# KiCad board pedalboard-hw.kicad_pcb
title: Open Pedalboard Mainboard; date: 2024-10-16; rev: 4.0.0; company: https://github.com/pedalboard; note: Source Code: https://github.com/pedalboard/pedalboard-hw; note: License: CERN Open Hardware Licence Version 2 - Permissive; note: Git commit hash: ${GIT_HASH}
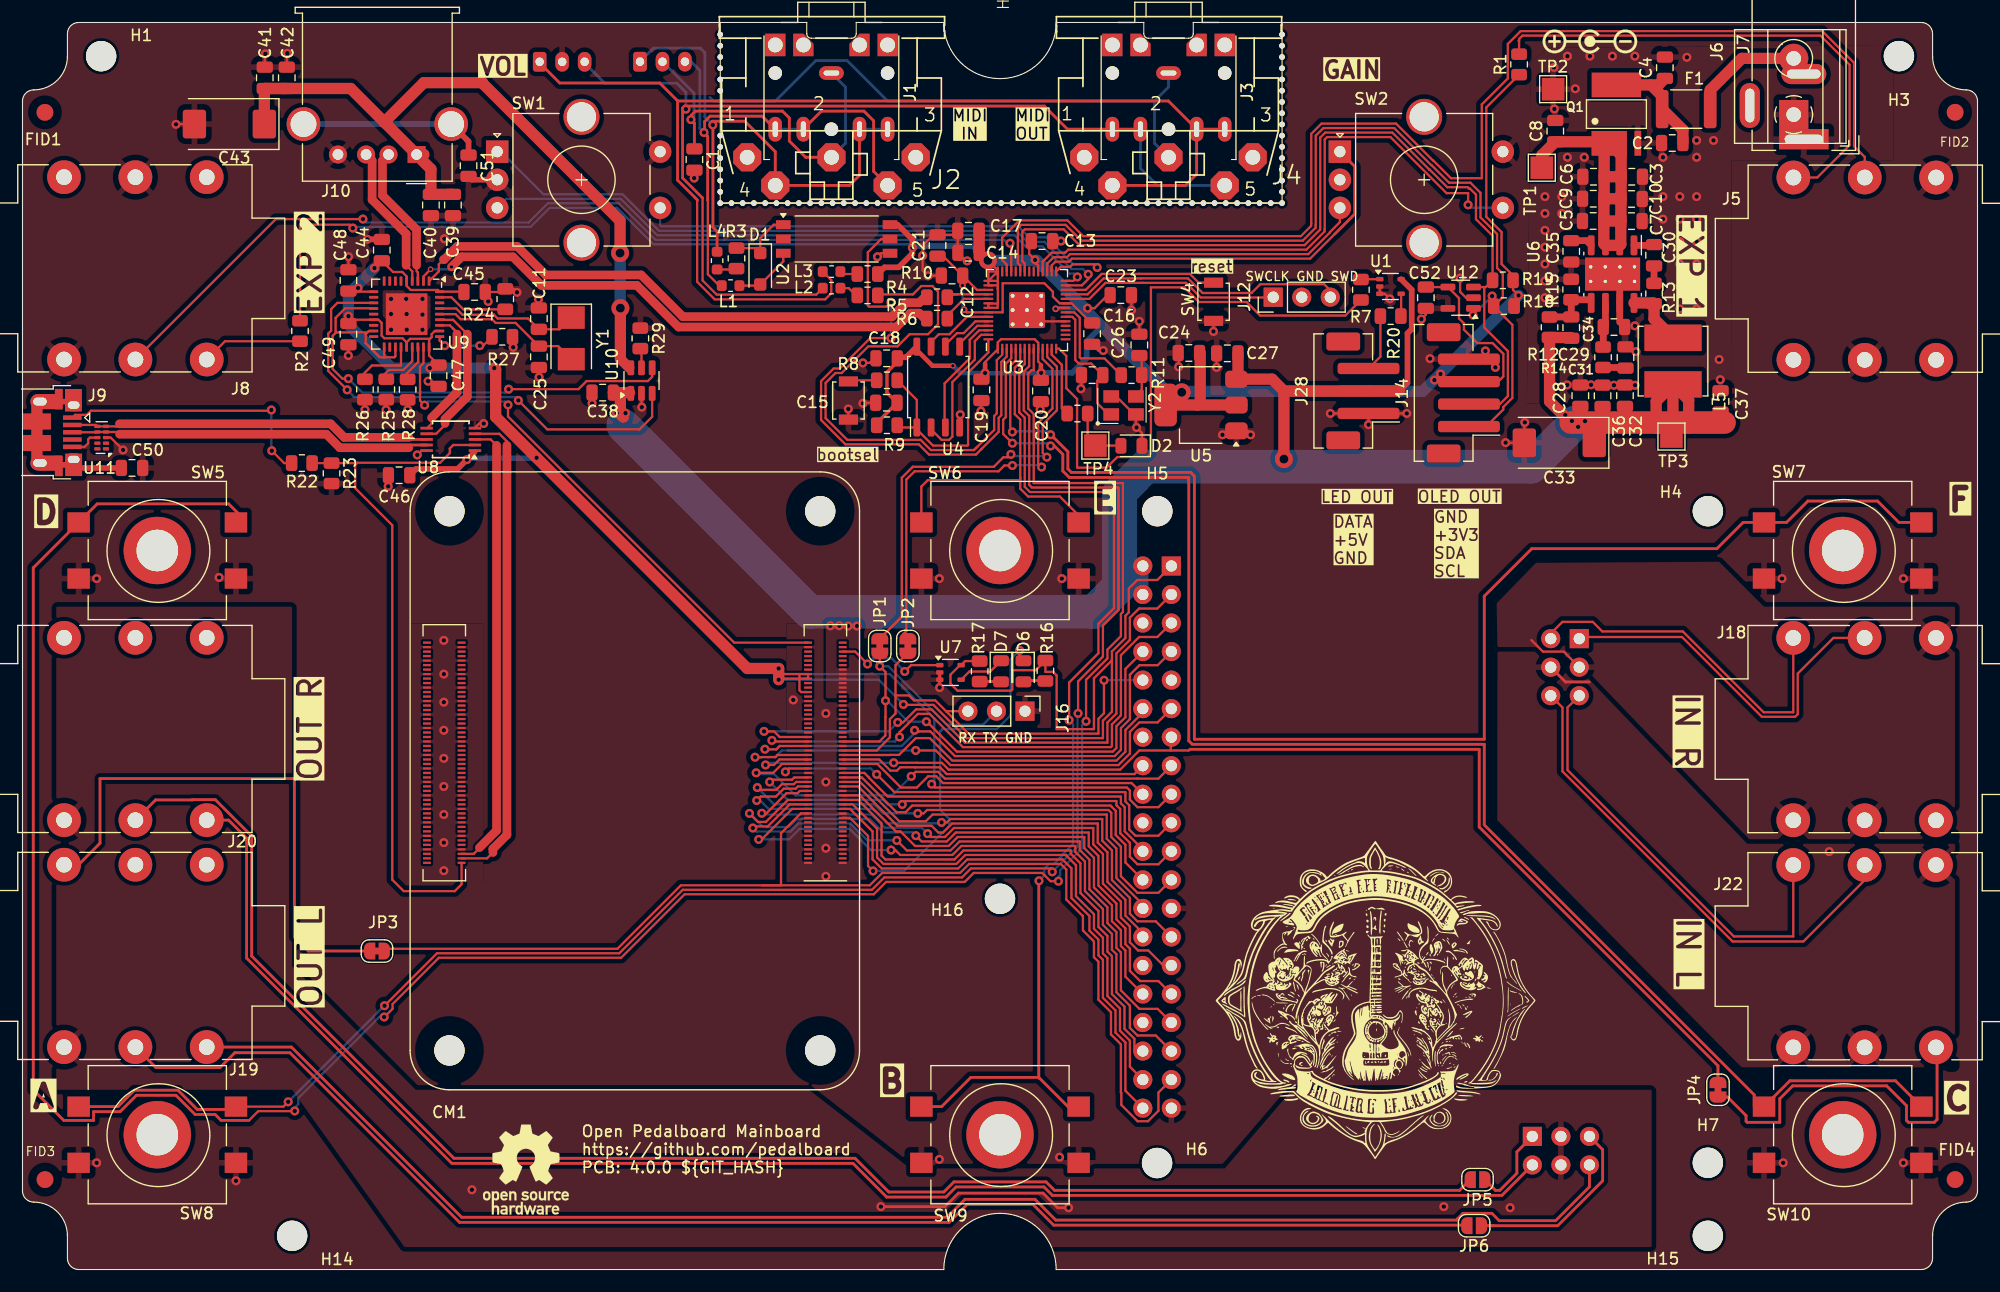
[diagram p0: board, top side]
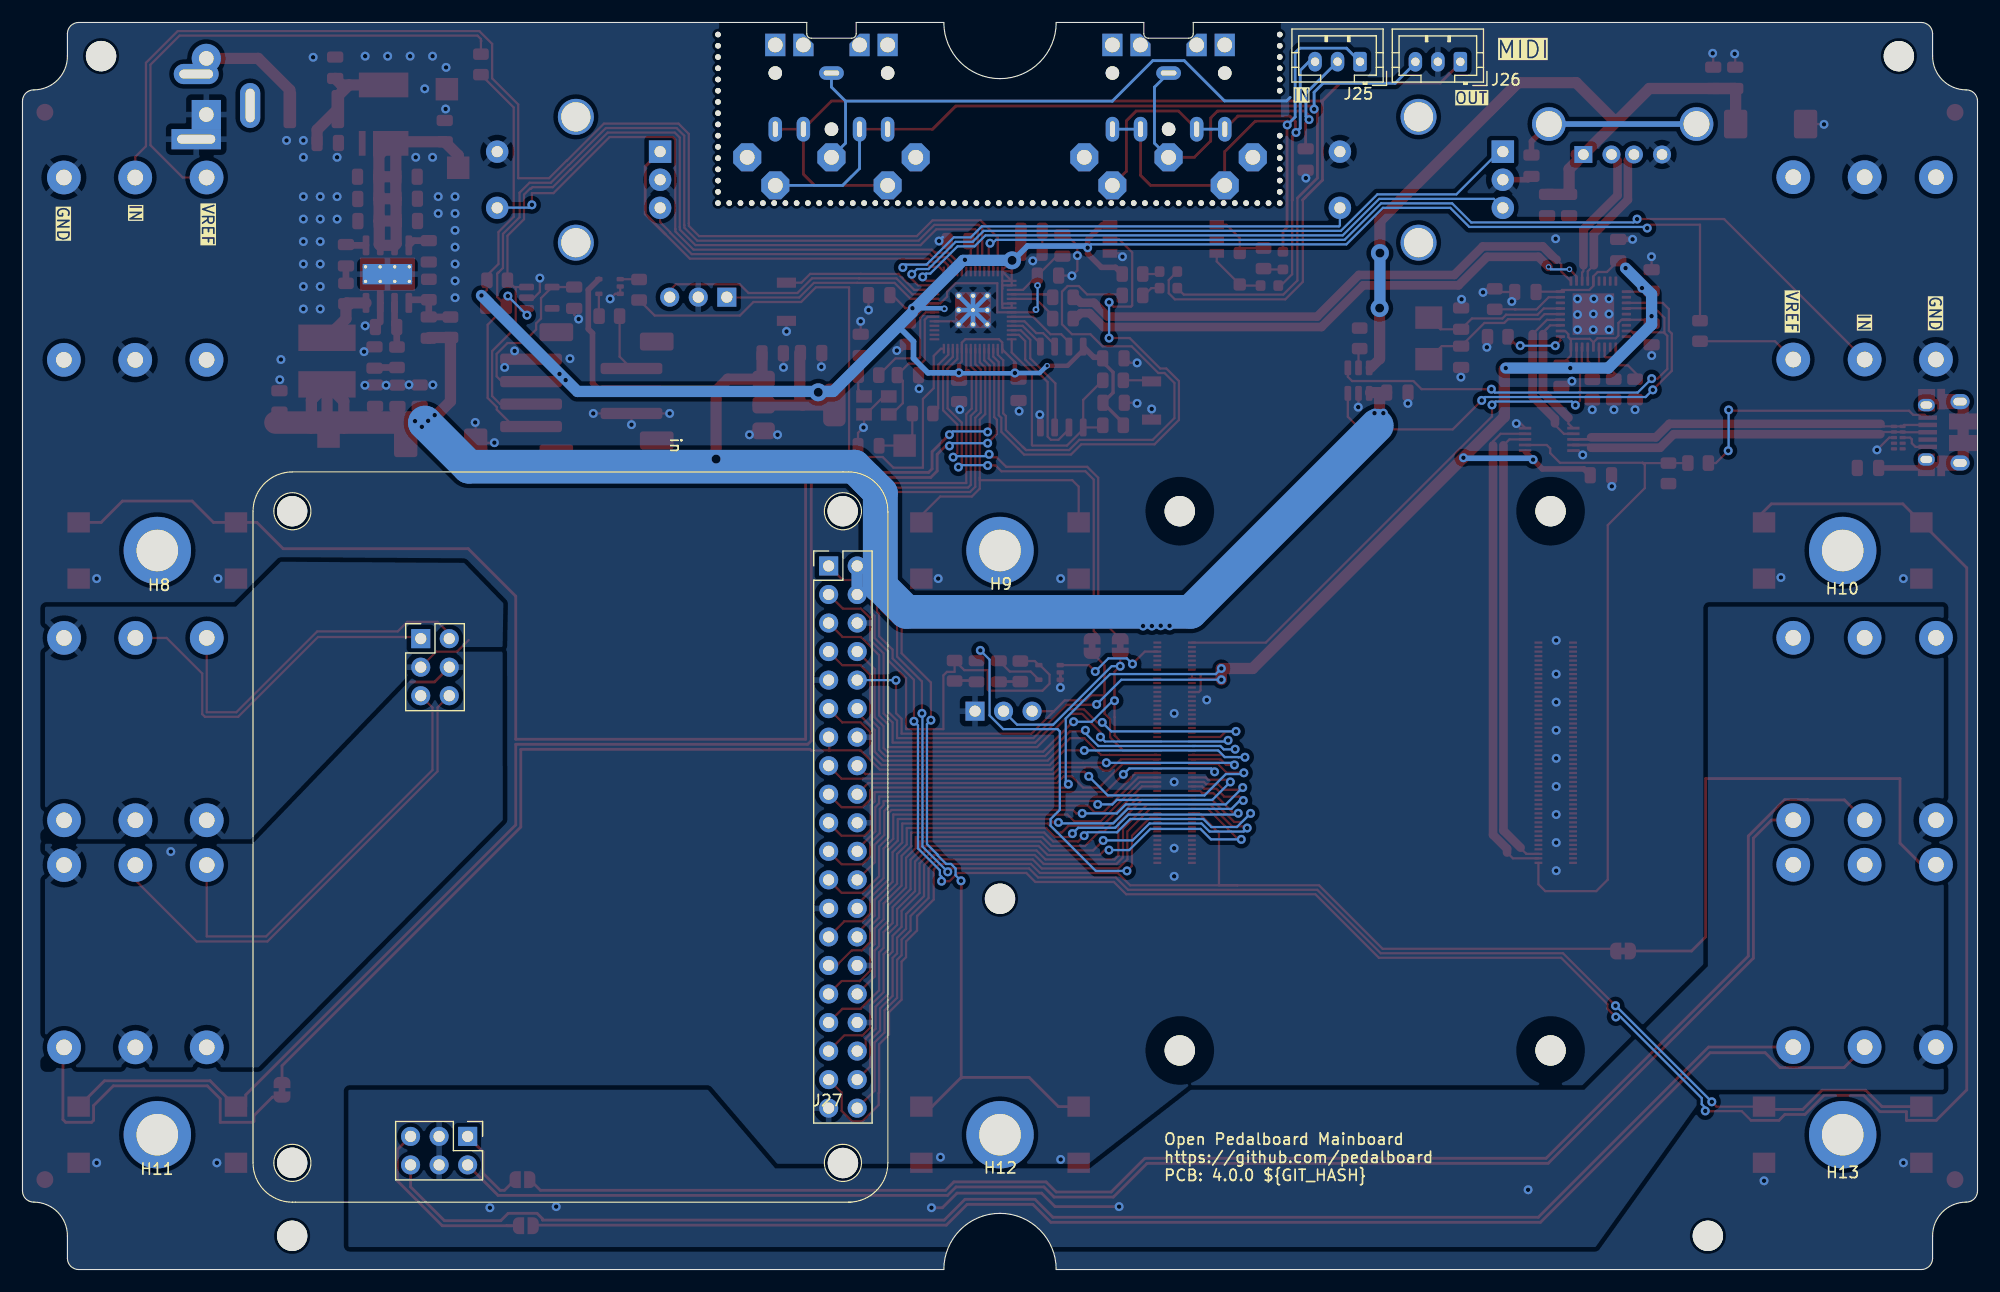
[diagram p1: board, bottom side, seen from below]

Outline 174 x 111 mm; copper layers: Top, Bottom. Coordinates in mm from the lower left corner of the outline.
Outline path: 0,104 arc(0.29,104.71) 1,105 arc(3.12,105.88) 4,108 4,110 arc(4.29,110.71) 5,111 69.8,111 69.8,110 arc(69.92,109.72) 70.2,109.6 73.8,109.6 arc(74.08,109.72) 74.2,110 74.2,111 82,111 arc(87,106) 92,111 99.8,111 99.8,110 arc(99.92,109.72) 100.2,109.6 103.8,109.6 arc(104.08,109.72) 104.2,110 104.2,111 169,111 arc(169.71,110.71) 170,110 170,108 arc(170.88,105.88) 173,105 arc(173.71,104.71) 174,104 174,7 arc(173.71,6.29) 173,6 arc(170.88,5.12) 170,3 170,1 arc(169.71,0.29) 169,0 92,0 arc(87,5) 82,0 5,0 arc(4.29,0.29) 4,1 4,3 arc(3.12,5.12) 1,6 arc(0.29,6.29) 0,7 0,104
Stack: Top 0.035mm / dielectric 1.51mm FR4 er 4.5 / Bottom 0.035mm

## Placement (name value [footprint] x y rotation side)
C1  100n  [C_0805_2012Metric]  59.8 98.8 270 top
C2  10u  [C_0805_2012Metric]  146.83 100.27 180 top
C3  10u  [C_0805_2012Metric]  143.23 97.27 0 top
C4  10u  [C_0805_2012Metric]  146.17 106.97 90 top
C5  10u  [C_0805_2012Metric]  139.79 93.33 180 top
C6  10u  [C_0805_2012Metric]  139.82 97.27 180 top
C7  10u  [C_0805_2012Metric]  143.2 93.32 0 top
C8  10u  [C_0805_2012Metric]  136.42 101.33 90 top
C9  10u  [C_0805_2012Metric]  139.8 95.31 180 top
C10  10u  [C_0805_2012Metric]  143.21 95.29 0 top
C11  18p  [C_0805_2012Metric]  45.96 84.64 90 top
C12  1u  [C_0805_2012Metric]  82.73 88.47 180 top
C13  100n  [C_0805_2012Metric]  90.74 91.54 0 top
C14  1u  [C_0805_2012Metric]  84.2 90.5 180 top
C15  100n  [C_0805_2012Metric]  76.89 77.15 180 top
C16  100n  [C_0805_2012Metric]  95.2 83.3 270 top
C17  100n  [C_0805_2012Metric]  84.19 92.46 180 top
C18  100n  [C_0805_2012Metric]  76.91 81.1 180 top
C19  100n  [C_0805_2012Metric]  85.35 78.3 270 top
C20  100n  [C_0805_2012Metric]  90.64 78.2 270 top
C21  100n  [C_0805_2012Metric]  81.44 91.15 90 top
C22  15p  [C_0805_2012Metric]  95.2 79.61 180 top
C23  100n  [C_0805_2012Metric]  97.75 86.73 0 top
C24  10u  [C_0805_2012Metric]  103.81 81.58 180 top
C25  18p  [C_0805_2012Metric]  45.96 81.24 270 top
C26  15p  [C_0805_2012Metric]  99.4 82.3 90 top
C27  10u  [C_0805_2012Metric]  107.23 81.55 180 top
C28  10u  [C_0805_2012Metric]  138.65 77.78 90 top
C29  1n  [C_0805_2012Metric]  137.84 83.84 90 top
C30  100n  [C_0805_2012Metric]  145.21 90.28 90 top
C31  1.2n  [C_0805_2012Metric]  142.67 81.18 90 top
C32  10u  [C_0805_2012Metric]  142.62 77.78 90 top
C33  100u  [CP_EIA-7343-31_Kemet-D]  136.78 73.59 180 top
C34  1n  [C_0805_2012Metric]  141.64 83.89 0 top
C35  100n  [C_0805_2012Metric]  137.84 90.63 270 top
C36  10u  [C_0805_2012Metric]  140.63 77.77 90 top
C37  10u  [C_0805_2012Metric]  151.13 77.27 90 top
C38  10u  [C_0805_2012Metric]  51.64 78.06 180 top
C39  10u  [C_0805_2012Metric]  38.31 94.75 270 top
C40  10u  [C_0805_2012Metric]  36.35 94.75 270 top
C41  10u  [C_0805_2012Metric]  21.56 106.07 90 top
C42  10u  [C_0805_2012Metric]  23.52 106.07 90 top
C43  100u  [CP_EIA-7343-31_Kemet-D]  18.41 101.96 180 top
C44  10u  [C_0805_2012Metric]  31.98 90.74 90 top
C45  10u  [C_0805_2012Metric]  40.24 87.01 0 top
C46  100n  [C_0805_2012Metric]  33.52 70.7 180 top
C47  100n  [C_0805_2012Metric]  37.03 79.56 270 top
C48  100n  [C_0805_2012Metric]  29.01 88.04 90 top
C49  100n  [C_0805_2012Metric]  29.01 83.26 270 top
C50  1n  [C_0805_2012Metric]  9.75 71.35 0 top
C51  1n  [C_0805_2012Metric]  39.7 98.25 270 top
C52  100n  [C_0805_2012Metric]  124.9 86.5 270 top
CM1  CM4  [Raspberry-Pi-4-Compute-Module]  71 67.5 180 top
D1  SM4007  [D_SOD-123F]  65.66 89.08 270 top
D2  LED Y  [LED_0805_2012Metric]  98.7 73.32 180 top
D6  LED Y  [LED_0805_2012Metric]  89.09 53.25 270 top
D7  LED R  [LED_0805_2012Metric]  87.09 53.25 270 top
F1  Polyfuse 1.8A  [Fuse_1812_4532Metric]  148.07 103.29 180 top
FID1  Fiducial  [Fiducial_1.5mm_Mask3mm]  2 103 0 top
FID2  Fiducial  [Fiducial_1.5mm_Mask3mm]  172.01 103.01 0 top
FID3  Fiducial  [Fiducial_1.5mm_Mask3mm]  2.01 8.01 0 top
FID4  Fiducial  [Fiducial_1.5mm_Mask3mm]  172.01 8.01 0 top
H1  MountingHole  [MountingHole_2.7mm_M2.5_DIN965]  7 108 0 top
H2  Midi Bites  [MIDI bites]  87.1 110.92 0 top
H3  MountingHole  [MountingHole_2.7mm_M2.5_DIN965]  167.01 108.01 0 top
H4  MountingHole  [MountingHole_2.7mm_M2.5_DIN965]  150 67.5 0 top
H5  MountingHole  [MountingHole_2.7mm_M2.5_DIN965]  101 67.5 0 top
H6  MountingHole  [MountingHole_2.7mm_M2.5_DIN965]  100.98 9.48 0 top
H7  MountingHole  [MountingHole_2.7mm_M2.5_DIN965]  150 9.5 0 top
H8  Spacer  [WA-SMSI_M2.5]  162 64 180 bottom
H9  Spacer  [WA-SMSI_M2.5]  87 64 180 bottom
H10  Spacer  [WA-SMSI_M2.5]  12 64 180 bottom
H11  Spacer  [WA-SMSI_M2.5]  162 12 180 bottom
H12  Spacer  [WA-SMSI_M2.5]  87 12 180 bottom
H13  Spacer  [WA-SMSI_M2.5]  12 12 180 bottom
H14  MountingHole  [MountingHole_2.7mm_M2.5_DIN965]  24 3 0 top
H15  MountingHole  [MountingHole_2.7mm_M2.5_DIN965]  150 3 0 top
H16  MountingHole  [MountingHole_2.7mm_M2.5_DIN965]  87 33 0 top
J1  Jack 3.5mm  [Jack_3.5mm_CUI_SJ1-3525N_Horizontal]  71.99 106.5 180 top
J2  DIN5  [CP-2350]  72 109 180 top
J3  Jack 3.5mm  [Jack_3.5mm_CUI_SJ1-3525N_Horizontal]  102 106.5 180 top
J4  DIN5  [CP-2350]  102 109 180 top
J5  Jack 6.35mm  [Jack_6.35mm_Horizontal]  157.62 97.2 0 top
J6  Screw_Terminal_01x02  [TerminalBlock_Phoenix_MKDS-1,5-2_1x02_P5.00mm_Horizontal]  157.64 102.8 90 top
J7  Barrel_Jack_MountingPin  [BarrelJack_Wuerth_6941xx301002]  158.54 100.61 180 top
J8  Jack 6.35mm  [Jack_6.35mm_Horizontal]  16.4 81 180 top
J9  USB_OTG  [USB_Micro-B_Amphenol_10103594-0001LF_Horizontal]  2.67 74.5 270 top
J10  USB_A  [USB_A_Molex_67643_Horizontal]  35.08 99.25 180 top
J12  Debug  [PinHeader_1x03_P2.54mm_Vertical]  111.31 86.55 90 top
J14  JST PH 4  [JST_PH_B4B-PH-SM4-TB_1x04-1MP_P2.00mm_Vertical]  128.24 78.03 90 top
J16  Debug  [PinHeader_1x03_P2.54mm_Vertical]  89.22 49.7 270 top
J18  Jack 6.35mm  [Jack_6.35mm_Horizontal]  157.6 56.22 0 top
J19  Jack 6.35mm  [Jack_6.35mm_Horizontal]  16.4 19.8 180 top
J20  Jack 6.35mm  [Jack_6.35mm_Horizontal]  16.4 40 180 top
J22  Jack 6.35mm  [Jack_6.35mm_Horizontal]  157.6 36 0 top
J25  JST PH 3  [JST_PH_B3B-PH-K_1x03_P2.00mm_Vertical]  54.96 107.51 0 bottom
J26  JST PH 3  [JST_PH_B3B-PH-K_1x03_P2.00mm_Vertical]  46.03 107.5 0 bottom
J27  Pedalboard Soundcard  [Pedalboard_Soundcard]  102.25 62.62 180 bottom
J28  JST PH 3  [JST_PH_B3B-PH-SM4-TB_1x03-1MP_P2.00mm_Vertical]  119.3 78.2 90 top
JP1  SJP  [SolderJumper-2_P1.3mm_Bridged_RoundedPad1.0x1.5mm]  76.3 55.5 90 top
JP2  SJP  [SolderJumper-2_P1.3mm_Bridged_RoundedPad1.0x1.5mm]  78.8 55.5 90 top
JP3  SJP  [SolderJumper-2_P1.3mm_Bridged_RoundedPad1.0x1.5mm]  31.55 28.35 0 top
JP4  SJP  [SolderJumper-2_P1.3mm_Bridged_RoundedPad1.0x1.5mm]  150.9 16 90 top
JP5  SJP  [SolderJumper-2_P1.3mm_Open_RoundedPad1.0x1.5mm]  129.5 8 180 top
JP6  SJP  [SolderJumper-2_P1.3mm_Open_RoundedPad1.0x1.5mm]  129.2 3.9 180 top
L1  120_100MHz  [L_0603_1608Metric]  63.02 87.58 0 top
L2  120_100MHz  [L_0603_1608Metric]  72.01 87.35 0 top
L3  120_100MHz  [L_0603_1608Metric]  72.01 88.83 0 top
L4  120_100MHz  [L_0603_1608Metric]  61.82 89.8 270 top
L5  SRN6045TA-3R3Y  [L_Bourns_SRN6045TA]  146.9 80.86 270 top
Q1  FDS4435BZ  [SO08-E3]  141.86 102.84 0 top
R1  1K  [R_0805_2012Metric]  133.2 107.27 90 top
R2  1K  [R_0805_2012Metric]  24.7 83.54 270 top
R3  220R  [R_0805_2012Metric]  63.55 90 90 top
R4  33R  [R_0805_2012Metric]  75.21 88.61 180 top
R5  10R  [R_0805_2012Metric]  75.21 86.71 0 top
R6  27R  [R_0805_2012Metric]  81.4 84.64 0 top
R7  220R  [R_0805_2012Metric]  119.12 87.21 90 top
R8  1K  [R_0805_2012Metric]  76.94 79.15 0 top
R9  DNF  [R_0805_2012Metric]  76.94 75.15 0 top
R10  27R  [R_0805_2012Metric]  81.4 86.54 0 top
R11  1K  [R_0805_2012Metric]  98.7 79.61 0 top
R12  12K  [R_0805_2012Metric]  135.91 83.87 90 top
R13  10R  [R_0805_2012Metric]  145.21 86.87 90 top
R14  20K  [R_0805_2012Metric]  140.67 81.2 270 top
R15  2K2  [R_0805_2012Metric]  137.83 87.23 90 top
R16  1K  [R_0805_2012Metric]  91.04 53.3 90 top
R17  2K2  [R_0805_2012Metric]  85.19 53.25 90 top
R18  3K9  [R_0805_2012Metric]  131.85 85.75 180 top
R19  3K9  [R_0805_2012Metric]  131.75 88.05 180 top
R20  220R  [R_0805_2012Metric]  121.77 84.86 180 top
R21  2K2  [R_0805_2012Metric]  93.89 76.19 0 top
R22  2K2  [R_0805_2012Metric]  24.87 71.78 180 top
R23  2K2  [R_0805_2012Metric]  27.51 70.87 270 top
R24  12K  [R_0805_2012Metric]  42.97 86.38 90 top
R25  36K  [R_0805_2012Metric]  32.38 78.34 270 top
R26  36K  [R_0805_2012Metric]  30.48 78.34 270 top
R27  36K  [R_0805_2012Metric]  42.7 83.02 0 top
R28  36K  [R_0805_2012Metric]  34.28 78.33 270 top
R29  36K  [R_0805_2012Metric]  54.99 82.88 270 top
SW1  Rotary  [RotaryEncoder_Alps_EC11E-Switch_Vertical_H20mm_CircularMountingHoles]  42.25 99.5 0 top
SW2  Rotary  [RotaryEncoder_Alps_EC11E-Switch_Vertical_H20mm_CircularMountingHoles]  117.25 99.5 0 top
SW3  Micro Button  [SW_SPST_B3U-1000P]  73.51 77.35 90 top
SW4  Micro Button  [SW_SPST_B3U-1000P]  106.01 86.14 90 top
SW5  Tactile Button  [SW_PUSH-12mm_Wuerth]  12 64 0 top
SW6  Tactile Button  [SW_PUSH-12mm_Wuerth]  87 64 0 top
SW7  Tactile Button  [SW_PUSH-12mm_Wuerth]  162 64 0 top
SW8  Tactile Button  [SW_PUSH-12mm_Wuerth]  12 12 0 top
SW9  Tactile Button  [SW_PUSH-12mm_Wuerth]  87 12 0 top
SW10  Tactile Button  [SW_PUSH-12mm_Wuerth]  162 12 0 top
SYM1  Logo_Open_Hardware_Small  [OSHW-Logo_7.5x8mm_SilkScreen]  44.8 8.9 0 top
TP1  TestPoint  [TestPoint_Pad_2.0x2.0mm]  135.22 98.07 0 top
TP2  TestPoint  [TestPoint_Pad_2.0x2.0mm]  136.23 105.06 0 top
TP3  TestPoint  [TestPoint_Pad_2.0x2.0mm]  146.76 74.14 0 top
TP4  TestPoint  [TestPoint_Pad_2.0x2.0mm]  95.49 73.34 0 top
U1  74AHCT1G32SE-7  [SOT-353_SC-70-5]  121.75 87.5 0 top
U2  TLP2761  [SO-6L_10x3.84mm_P1.27mm]  72.46 91.73 0 top
U3  RP2040  [RP2040-QFN-56]  89.4 85.4 90 top
U4  W25Q128JVS  [SOIC-8_5.23x5.23mm_P1.27mm]  81.5 78.55 90 top
U5  NCP1117-3.3_SOT223  [SOT-223-3_TabPin2]  104.89 76.95 180 top
U6  AP64501SP-13  [SOIC-8-1EP_3.9x4.9mm_P1.27mm_EP2.95x4.9mm_Mask2.71x3.4mm_ThermalVias]  141.52 88.6 270 top
U7  74AHCT1G32SE-7  [SOT-353_SC-70-5]  82.59 53.15 0 top
U8  FSUSB42MUX  [TSSOP-10_3x3mm_P0.5mm]  38.12 73.89 180 top
U9  USB2514B_Bi  [QFN-36-1EP_6x6mm_P0.5mm_EP3.7x3.7mm]  34.19 85.04 270 top
U10  AP2553W6  [SOT-23-6]  55.09 79.12 90 top
U11  TPD4EUSB30  [USON-10_2.5x1.0mm_P0.5mm]  7.05 74.05 180 top
U12  AT24CS01-STUM  [SOT-23-5]  128 86.5 180 top
Y1  Crystal_Small  [Crystal_SMD_5032-2Pin_5.0x3.2mm]  48.84 82.88 270 top
Y2  ABM8-272-T3  [ABM8-272-T3_ABR]  98 76.91 90 top

## Library data of the parts
C1 C13 C15-C21 C23 C46-C49 C52 = -: Datasheet: https://www.samsungsem.com/resources/file/global/support/product_catalog/MLCC.pdf; Digikey: 1276-1180-1-ND; Mouser: 581-08055C104K; Notes: 10% 16V Ceramic Capacitor X7R; Supplier: https://www.digikey.ch/de/products/detail/samsung-electro-mechanics/CL21B104KBCNNNC/3886661; ki_fp_filters: C_*
C2-C10 C24 C27 C28 C32 C36-C42 C44 C45 = -: Datasheet: https://www.samsungsem.com/resources/file/global/support/product_catalog/MLCC.pdf; Notes: 10% or 20% 35V Ceramic Capacitor X6S 0805 (2012 Metric); Supplier: https://www.digikey.ch/de/products/detail/samsung-electro-mechanics/CL21X106KAYNNNE/5961182; ki_fp_filters: C_*
C11 C22 C25 C26 = -: Datasheet: https://www.samsungsem.com/resources/file/global/support/product_catalog/MLCC.pdf; Notes: 50V/5%; Supplier: https://www.digikey.ch/de/products/detail/samsung-electro-mechanics/CL21C270JCANNNC/3888280; ki_fp_filters: C_*
C12 C14 = -: Datasheet: https://www.samsungsem.com/resources/file/global/support/product_catalog/MLCC.pdf; Notes: 25V/10%; Supplier: https://www.digikey.ch/de/products/detail/samsung-electro-mechanics/CL21B105KAFNNNE/3886724; ki_fp_filters: C_*
C29 C34 C50 C51 = -: Datasheet: https://www.samsungsem.com/resources/file/global/support/product_catalog/MLCC.pdf; Notes: 1000 pF, 50 V; Supplier: https://www.digikey.ch/de/products/detail/samsung-electro-mechanics/CL21B102KBANNNC/3886678; ki_fp_filters: C_*
C30 C35 = -: Datasheet: https://www.samsungsem.com/resources/file/global/support/product_catalog/MLCC.pdf; Digikey: 1276-1180-1-ND; Notes: 10% 16V Ceramic Capacitor X7R; Supplier: https://www.digikey.ch/de/products/detail/samsung-electro-mechanics/CL21B104KBCNNNC/3886661; ki_fp_filters: C_*
C31 = -: Datasheet: https://search.murata.co.jp/Ceramy/image/img/A01X/G101/ENG/GRM2165C2A122JA01-01.pdf; Notes: 10% 10V Ceramic Capacitor X5R; Supplier: https://www.digikey.ch/de/products/detail/murata-electronics/GRM2165C2A122JA01D/2544699; ki_fp_filters: C_*
C33 C43 = -: Datasheet: https://industrial.panasonic.com/cdbs/www-data/pdf/ABE0000/ABE0000C49.pdf; Notes: Capacitor, SP-Cap, 100u, 6.3V, 15mR ESR; Supplier: https://www.digikey.ch/de/products/detail/panasonic-electronic-components/EEF-CX0J101R/816418; ki_fp_filters: CP_*
CM1 = -: Datasheet: https://www.hirose.com/en/product/document?clcode=&productname=&series=DF40&documenttype=Catalog&lang=en&documentid=en_DF40_CAT; Notes: DF40C-100DS-0.4V(51); Supplier: https://www.digikey.ch/de/products/detail/hirose-electric-co-ltd/DF40C-100DS-0-4V-51/1969476
D1 = -: Datasheet: https://www.mccsemi.com/pdf/Products/SM4001PL-SM4007PL(SOD-123FL).PDF; Supplier: https://www.digikey.ch/de/products/detail/micro-commercial-co/SM4007PL-TP/1793250; ki_fp_filters: D*DO?35*
D2 D6 D7 = -: ki_fp_filters: LED* LED_SMD:* LED_THT:*
F1 = -: Datasheet: https://www.littelfuse.com/~/media/electronics/datasheets/resettable_ptcs/littelfuse_ptc_1812l_datasheet.pdf.pdf; Supplier: https://www.digikey.ch/de/products/detail/littelfuse-inc/1812L150-24MR/2023969; ki_fp_filters: *polyfuse* *PTC*
FID1-FID4 = -: ki_fp_filters: Fiducial*
H1-H7 H14-H16 = -: ki_fp_filters: MountingHole*
H8-H13 = -: Datasheet: https://www.we-online.com/components/products/datasheet/9774027151R.pdf; Notes: MIDI In; Supplier: https://www.digikey.ch/de/products/detail/w%C3%BCrth-elektronik/9774027151R/5320625; ki_fp_filters: MountingHole*
J1 = -: Datasheet: https://www.cuidevices.com/product/resource/sj1-352xng.pdf; Notes: MIDI Out; Supplier: https://www.digikey.ch/de/products/detail/cui-devices/SJ1-3525NG/738690; ki_fp_filters: Jack*
J2 = -: Datasheet: https://www.switchcraft.com/assets/1/24/57PC5F_CD.pdf; Notes: MIDI In; Supplier: https://www.digikey.ch/de/products/detail/switchcraft-inc/57PC5F/275385; ki_fp_filters: DIN*
J3 = -: Datasheet: https://www.cuidevices.com/product/resource/sj1-352xng.pdf; Supplier: https://www.digikey.ch/de/products/detail/cui-devices/SJ1-3525NG/738690; ki_fp_filters: Jack*
J4 = -: Datasheet: https://www.switchcraft.com/assets/1/24/57PC5F_CD.pdf; Notes: MIDI Out; Supplier: https://www.digikey.ch/de/products/detail/switchcraft-inc/57PC5F/275385; ki_fp_filters: DIN*
J5 = -: Datasheet: https://www.schurter.com/en/datasheet/typ_4833.2320.pdf; Notes: EXP1; Supplier: https://www.digikey.ch/de/products/detail/schurter-inc/4833-2320/2644235; ki_fp_filters: Jack*
J6 = -: Supplier: https://www.digikey.ch/de/products/detail/phoenix-contact/1715022/260626; ki_fp_filters: TerminalBlock*:*
J7 = -: Datasheet: https://www.we-online.com/components/products/datasheet/6941xx301002.pdf; Supplier: https://www.digikey.ch/de/products/detail/w%C3%BCrth-elektronik/694106301002/5047522; ki_fp_filters: BarrelJack*
J8 = -: Datasheet: https://www.schurter.com/en/datasheet/typ_4833.2320.pdf; Notes: EXP2; Supplier: https://www.digikey.ch/de/products/detail/schurter-inc/4833-2320/2644235; ki_fp_filters: Jack*
J9 = -: Datasheet: https://cdn.amphenol-cs.com/media/wysiwyg/files/documentation/datasheet/inputoutput/io_usb_micro.pdf; Description: USB mini/micro connector; Supplier: https://www.digikey.ch/de/products/detail/amphenol-cs-fci/10103594-0001LF/2350351; ki_fp_filters: USB*
J10 = -: Datasheet: https://www.molex.com/en-us/products/part-detail/676433910?display=pdf; Description: USB Type A connector; Supplier: https://www.digikey.ch/de/products/detail/molex/0676433910/3598521; ki_fp_filters: USB*
J12 J16 = -: ki_fp_filters: Connector*:*_1x??_*
J14 = -: Datasheet: https://www.jst-mfg.com/product/pdf/eng/ePH.pdf; Supplier: https://www.digikey.ch/de/products/detail/jst-sales-america-inc./B4B-PH-SM4-TB/926833; ki_fp_filters: Connector*:*_1x??_*
J18 = -: Datasheet: https://www.schurter.com/en/datasheet/typ_4833.2320.pdf; Notes: Audio IN Right; Supplier: https://www.digikey.ch/de/products/detail/schurter-inc/4833-2320/2644235; ki_fp_filters: Jack*
J19 = -: Datasheet: https://www.schurter.com/en/datasheet/typ_4833.2320.pdf; Notes: Audio OUT Left; Supplier: https://www.digikey.ch/de/products/detail/schurter-inc/4833-2320/2644235; ki_fp_filters: Jack*
J20 = -: Datasheet: https://www.schurter.com/en/datasheet/typ_4833.2320.pdf; Notes: Audio OUT Right; Supplier: https://www.digikey.ch/de/products/detail/schurter-inc/4833-2320/2644235; ki_fp_filters: Jack*
J22 = -: Datasheet: https://www.schurter.com/en/datasheet/typ_4833.2320.pdf; Notes: Audio IN Left; Supplier: https://www.digikey.ch/de/products/detail/schurter-inc/4833-2320/2644235; ki_fp_filters: Jack*
J25 J26 J28 = -: Datasheet: https://www.jst-mfg.com/product/pdf/eng/ePH.pdf; Supplier: https://www.digikey.com/en/products/detail/jst-sales-america-inc/B3B-PH-K-S/926612; ki_fp_filters: Connector*:*_1x??_*
J27 = -: ki_fp_filters: PinHeader*2x20*P2.54mm*Vertical* PinSocket*2x20*P2.54mm*Vertical*
JP1-JP4 = -: ki_fp_filters: SolderJumper*Bridged*
JP5 JP6 = -: Description: Solder Jumper, 2-pole, open; ki_fp_filters: SolderJumper*Open*
L1-L4 = -: Datasheet: https://www.murata.com/products/productdata/8796738650142/ENFA0003.pdf; Supplier: https://www.digikey.ch/de/products/detail/murata-electronics/BLM18KG121TN1D/1982762; ki_fp_filters: Choke_* *Coil* Inductor_* L_*
L5 = -: Datasheet: https://www.bourns.com/docs/Product-Datasheets/SRN6045TA.pdf; Notes: 3.3µH Semi-Shielded Wirewound Inductor 7.8A 21mOhm Nonstandard; Supplier: https://www.digikey.ch/de/products/detail/bourns-inc/SRN6045TA-3R3Y/6155103; ki_fp_filters: Choke_* *Coil* Inductor_* L_*
Q1 = -: Datasheet: https://www.onsemi.com/pdf/datasheet/fds4435bz_f085-d.pdf; Supplier: https://www.digikey.ch/de/products/detail/onsemi/FDS4435BZ/1305763
R1 R2 R8 R11 R16 R22-R29 = -: Datasheet: https://www.seielect.com/catalog/sei-rncp.pdf; Supplier: https://www.digikey.ch/de/products/detail/stackpole-electronics-inc/RNCP0805FTD1K00/2240229; ki_fp_filters: R_*
R3 R7 R20 = -: Datasheet: https://www.seielect.com/catalog/sei-rmcf_rmcp.pdf; Supplier: https://www.digikey.ch/de/products/detail/stackpole-electronics-inc/RMCF0805FT220R/1760238; ki_fp_filters: R_*
R4 = -: Datasheet: https://www.seielect.com/catalog/sei-rmcf_rmcp.pdf; Supplier: https://www.digikey.ch/de/products/detail/stackpole-electronics-inc/RMCF0805FT33R0/1760586; ki_fp_filters: R_*
R5 R13 = -: Datasheet: https://www.seielect.com/catalog/sei-rncp.pdf; Notes: Resistor 10R 1% 63mW; Supplier: https://www.digikey.ch/de/products/detail/stackpole-electronics-inc/RNCP0805FTD10R0/2240197; ki_fp_filters: R_*
R6 R10 R21 = -: Datasheet: https://www.seielect.com/catalog/sei-rmcf_rmcp.pdf; Supplier: https://www.digikey.ch/de/products/detail/stackpole-electronics-inc/RMCF0805FT27R0/1712920; ki_fp_filters: R_*
R9 = -: ki_fp_filters: R_*
R12 = -: Datasheet: https://www.seielect.com/Catalog/SEI-rmef.PDF; Notes: Resistor 12K 1% 63mW; ki_fp_filters: R_*
R14 = -: Datasheet: https://www.seielect.com/catalog/sei-rmcf_rmcp.pdf; Notes: Resistor 20K 1% 63mW; Supplier: https://www.digikey.ch/de/products/detail/stackpole-electronics-inc/RMCF0805FT20K0/1760314; ki_fp_filters: R_*
R15 R17 = -: Datasheet: https://www.seielect.com/catalog/sei-rncp.pdf; Notes: Resistor 2.2K 1% 63mW; Supplier: https://www.digikey.ch/de/products/detail/stackpole-electronics-inc/RMCF0805FT2K20/1760345; ki_fp_filters: R_*
R18 R19 = -: Datasheet: https://www.seielect.com/catalog/sei-rncp.pdf; Supplier: https://www.digikey.ch/de/products/detail/stackpole-electronics-inc/RMCF0805FT3K90/1760599; ki_fp_filters: R_*
SW1 = -: Datasheet: https://www.we-online.com/components/products/datasheet/482016514001.pdf; Notes: VOL; Supplier: https://www.digikey.ch/de/products/detail/w%C3%BCrth-elektronik/482016514001/10056402; ki_fp_filters: RotaryEncoder*Switch*
SW2 = -: Datasheet: https://www.we-online.com/components/products/datasheet/482016514001.pdf; Notes: GAIN; Supplier: https://www.digikey.ch/de/products/detail/w%C3%BCrth-elektronik/482016514001/10056402; ki_fp_filters: RotaryEncoder*Switch*
SW3 = -: Datasheet: https://omronfs.omron.com/en_US/ecb/products/pdf/en-b3u.pdf; Notes: Boot; Supplier: https://www.digikey.ch/en/products/detail/omron-electronics-inc-emc-div/B3U-1000P/1534338; ki_fp_filters: SW*Omron*B3FS*
SW4 = -: Datasheet: https://omronfs.omron.com/en_US/ecb/products/pdf/en-b3u.pdf; Notes: Reset; Supplier: https://www.digikey.ch/en/products/detail/omron-electronics-inc-emc-div/B3U-1000P/1534338; ki_fp_filters: SW*Omron*B3FS*